# Altium PCB 宠物机器人&导购机器人.PcbDoc (part 9 of 14)
Units mil, origin at the board's own origin, x right, y up, seen from the top; angles counter-clockwise.
Board outline 6899.61 x 2204.72 mil, 2 copper layers (Top Layer, Bottom Layer); 229 components, 218 nets, 23463 pads, 263 vias.
Unrouted connection lines stored in the file: 107.
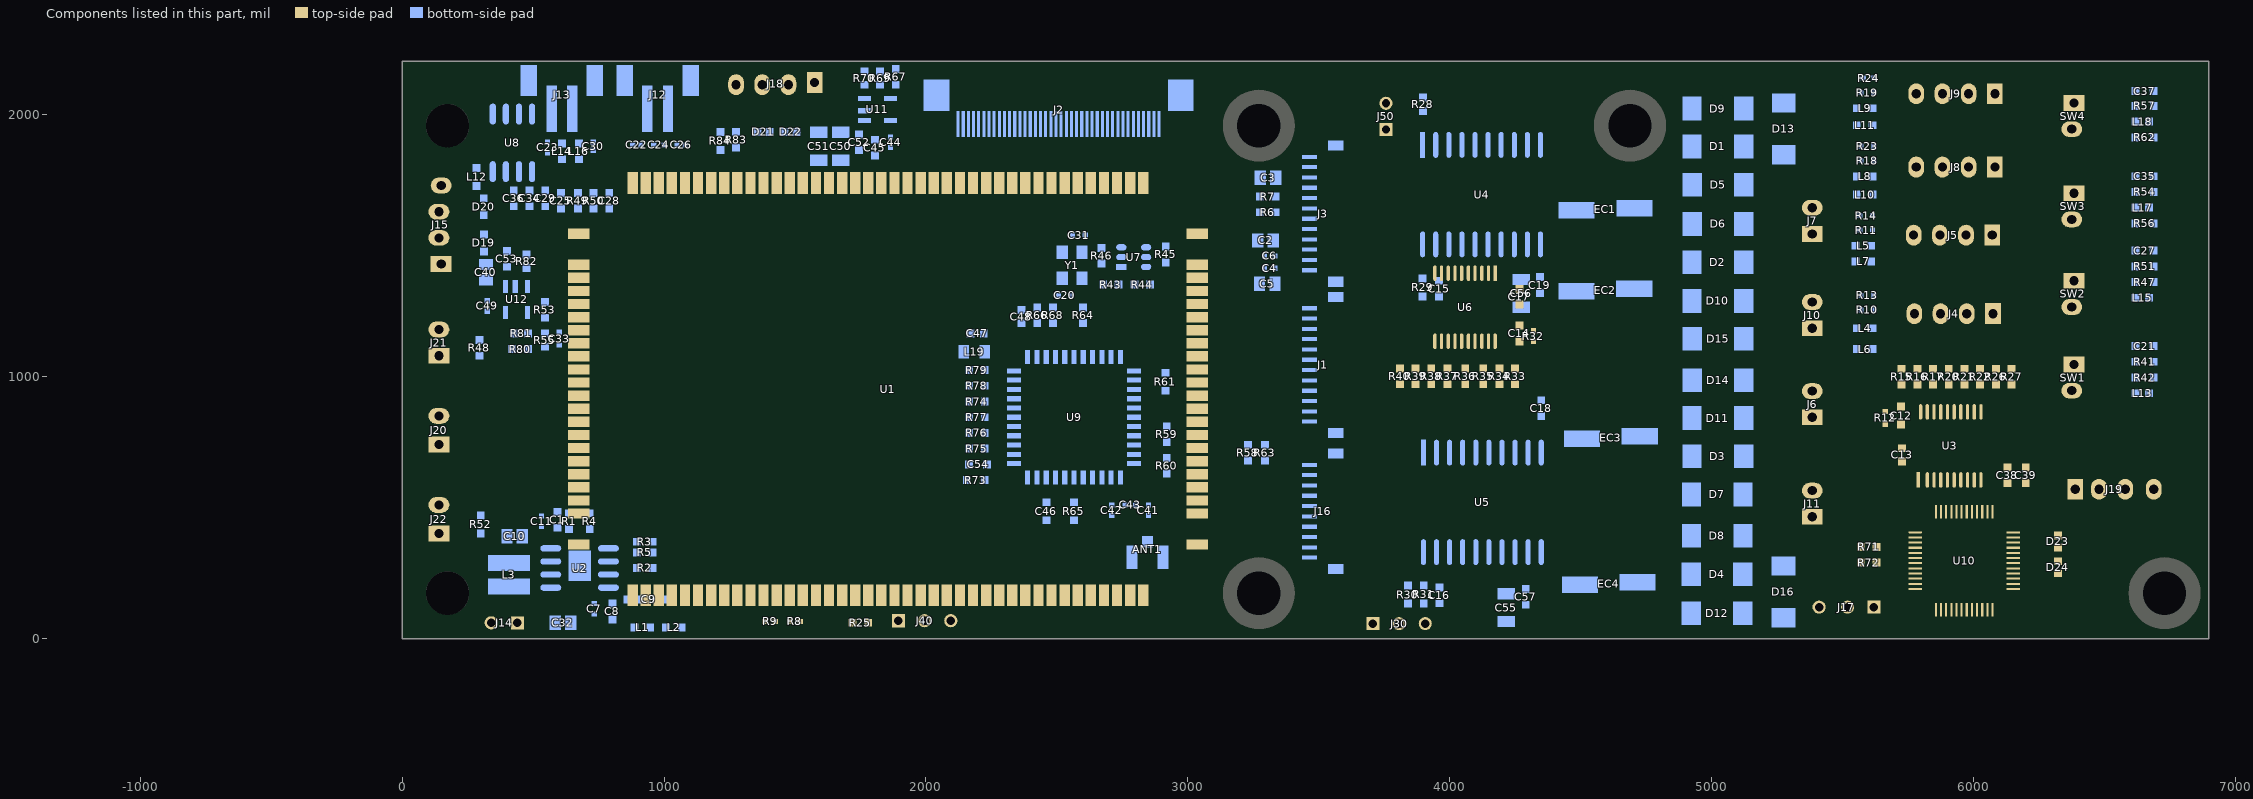
[diagram p9: the components of this part, seen from the top]

## Free pads (board coordinates) (continued)
  round 0.01 on Mech2: 1(-1217.33,-383.26) 1(-1217.33,-383.26) 1(-1217.33,-383.26) 1(-1217.33,-383.26) 1(-1217.33,-383.32) 1(-1217.33,-383.32) 1(-1217.33,-383.32) 1(-1217.33,-383.26) 1(-1217.33,-383.26) 1(-1217.33,-383.26) 1(-1217.32,-384.67) 1(-1217.32,-384.67) 1(-1217.32,-384.67) 1(-1217.32,-384.67) 1(-1217.32,-384.67) 1(-1217.32,-384.67) 1(-1217.32,-384.61) 1(-1217.32,-384.61) 1(-1217.32,-384.61) 1(-1217.32,-384.61) 1(-1217.32,-384.61) 1(-1217.32,-384.61) 1(-1217.32,-384.58) 1(-1217.32,-384.58) 1(-1217.32,-384.58) 1(-1217.32,-384.58) 1(-1217.32,-384.58) 1(-1217.32,-384.58) 1(-1217.32,-384.3) 1(-1217.32,-384.3) 1(-1217.32,-384.3) 1(-1217.32,-384.3) 1(-1217.32,-384.3) 1(-1217.32,-384.3) 1(-1217.32,-383.79) 1(-1217.32,-383.79) 1(-1217.32,-383.79) 1(-1217.32,-383.79) 1(-1217.32,-383.79) 1(-1217.32,-383.79) 1(-1217.32,-385.04) 1(-1217.32,-385.04) 1(-1217.32,-385.04) 1(-1217.32,-384.9) 1(-1217.32,-384.9) 1(-1217.32,-384.9) 1(-1217.32,-384.9) 1(-1217.32,-384.9) 1(-1217.32,-384.9) 1(-1217.31,-384.84) 1(-1217.31,-384.84) 1(-1217.31,-384.84) 1(-1217.31,-384.84) 1(-1217.31,-384.84) 1(-1217.31,-384.84) 1(-1217.3,-384.64) 1(-1217.3,-384.64) 1(-1217.3,-384.64) 1(-1217.3,-384.64) 1(-1217.3,-384.64) 1(-1217.3,-384.64) 1(-1217.3,-384.57) 1(-1217.3,-384.57) 1(-1217.3,-384.57) 1(-1217.3,-384.57) 1(-1217.3,-384.57) 1(-1217.3,-384.57) 1(-1217.3,-383.29) 1(-1217.3,-383.29) 1(-1217.3,-383.29) 1(-1217.3,-384.32) 1(-1217.3,-384.32) 1(-1217.3,-384.32) 1(-1217.3,-384.32) 1(-1217.3,-384.32) 1(-1217.3,-384.32) 1(-1217.29,-384.42) 1(-1217.29,-384.42) 1(-1217.29,-384.42) 1(-1217.29,-384.88) 1(-1217.29,-384.88) 1(-1217.29,-384.88) 1(-1217.29,-384.88) 1(-1217.29,-384.88) 1(-1217.29,-384.88) 1(-1217.29,-384.78) 1(-1217.29,-384.78) 1(-1217.29,-384.78) 1(-1217.29,-384.78) 1(-1217.29,-384.78) 1(-1217.29,-384.78) 1(-1217.29,-383.51) 1(-1217.29,-383.51) 1(-1217.29,-383.51) 1(-1217.29,-383.51) 1(-1217.29,-383.51) 1(-1217.29,-383.51) 1(-1217.29,-383.34) 1(-1217.29,-383.34) 1(-1217.29,-383.34) 1(-1217.29,-383.6) 1(-1217.29,-383.6) 1(-1217.29,-383.6) 1(-1217.29,-383.6) 1(-1217.29,-383.6) 1(-1217.29,-383.6) 1(-1217.29,-384.67) 1(-1217.29,-384.67) 1(-1217.29,-384.67) 1(-1217.29,-384.67) 1(-1217.29,-384.67) 1(-1217.29,-384.67) 1(-1217.29,-384.47) 1(-1217.29,-384.47) 1(-1217.29,-384.47) 1(-1217.29,-384.47) 1(-1217.29,-384.47) 1(-1217.29,-384.47) 1(-1217.28,-384.84) 1(-1217.28,-384.84) 1(-1217.28,-384.84) 1(-1217.27,-383.3) 1(-1217.27,-383.3) 1(-1217.27,-383.3) 1(-1217.27,-384.85) 1(-1217.27,-384.85) 1(-1217.27,-384.85) 1(-1217.27,-384.85) 1(-1217.27,-384.85) 1(-1217.27,-384.85) 1(-1217.27,-384.84) 1(-1217.27,-384.84) 1(-1217.27,-384.84) 1(-1217.27,-383.51) 1(-1217.27,-383.51) 1(-1217.27,-383.51) 1(-1217.27,-383.51) 1(-1217.27,-383.51) 1(-1217.27,-383.51) 1(-1217.27,-383.3) 1(-1217.27,-383.3) 1(-1217.27,-383.3) 1(-1217.27,-383.3) 1(-1217.27,-383.3) 1(-1217.27,-383.3) 1(-1217.27,-384.78) 1(-1217.27,-384.78) 1(-1217.27,-384.78) 1(-1217.26,-384.86) 1(-1217.26,-384.86) 1(-1217.26,-384.86) 1(-1217.26,-384.86) 1(-1217.26,-384.86) 1(-1217.26,-384.86) 1(-1217.26,-384.42) 1(-1217.26,-384.42) 1(-1217.26,-384.42) 1(-1217.26,-384.42) 1(-1217.26,-384.42) 1(-1217.26,-384.42) 1(-1217.26,-384.9) 1(-1217.26,-384.9) 1(-1217.26,-384.9) 1(-1217.26,-384.54) 1(-1217.26,-384.54) 1(-1217.26,-384.54) 1(-1217.26,-384.54) 1(-1217.26,-384.54) 1(-1217.26,-384.54) 1(-1217.26,-384.48) 1(-1217.26,-384.48) 1(-1217.26,-384.48) 1(-1217.26,-384.42) 1(-1217.26,-384.42) 1(-1217.26,-384.42) 1(-1217.26,-384.42) 1(-1217.26,-384.42) 1(-1217.26,-384.42) 1(-1217.26,-384.37) 1(-1217.26,-384.37) 1(-1217.26,-384.37) 1(-1217.25,-383.52) 1(-1217.25,-383.52) 1(-1217.25,-383.52) 1(-1217.25,-383.52) 1(-1217.25,-383.52) 1(-1217.25,-383.52) 1(-1217.25,-383.12) 1(-1217.25,-383.12) 1(-1217.25,-383.12) 1(-1217.25,-383.12) 1(-1217.25,-383.12) 1(-1217.25,-383.12) 1(-1217.24,-385.04) 1(-1217.24,-385.04) 1(-1217.24,-385.04) 1(-1217.24,-384.92) 1(-1217.24,-384.92) 1(-1217.24,-384.92) 1(-1217.24,-384.92) 1(-1217.24,-384.92) 1(-1217.24,-384.92) 1(-1217.23,-384.78) 1(-1217.23,-384.78) 1(-1217.23,-384.78) 1(-1217.23,-384.78) 1(-1217.23,-384.78) 1(-1217.23,-384.78) 1(-1217.21,-384.84) 1(-1217.21,-384.84) 1(-1217.21,-384.84) 1(-1217.21,-384.8) 1(-1217.21,-384.8) 1(-1217.21,-384.8) 1(-1217.21,-384.8) 1(-1217.21,-384.8) 1(-1217.21,-384.8) 1(-1217.21,-383.08) 1(-1217.21,-383.08) 1(-1217.21,-383.08) 1(-1217.21,-383.08) 1(-1217.21,-383.08) 1(-1217.21,-383.08) 1(-1217.21,-384.92) 1(-1217.21,-384.92) 1(-1217.21,-384.92) 1(-1217.21,-384.92) 1(-1217.21,-384.92) 1(-1217.21,-384.92) 1(-1217.21,-384.92) 1(-1217.21,-384.92) 1(-1217.21,-384.92) 1(-1217.2,-383.14) 1(-1217.2,-383.14) 1(-1217.2,-383.14) 1(-1217.2,-383.11) 1(-1217.2,-383.11) 1(-1217.2,-383.11) 1(-1217.2,-383.11) 1(-1217.2,-383.11) 1(-1217.2,-383.11) 1(-1217.2,-383.67) 1(-1217.2,-383.67) 1(-1217.2,-383.67) 1(-1217.2,-383.67) 1(-1217.2,-383.67) 1(-1217.2,-383.67) 1(-1217.2,-384.57) 1(-1217.2,-384.57) 1(-1217.2,-384.57) 1(-1217.2,-384.57) 1(-1217.2,-384.57) 1(-1217.2,-384.57) 1(-1217.2,-384.54) 1(-1217.2,-384.54) 1(-1217.2,-384.54) 1(-1217.2,-384.42) 1(-1217.2,-384.42) 1(-1217.2,-384.42) 1(-1217.2,-384.37) 1(-1217.2,-384.37) 1(-1217.2,-384.37) 1(-1217.2,-383.1) 1(-1217.2,-383.1) 1(-1217.2,-383.1) 1(-1217.2,-383.1) 1(-1217.2,-383.1) 1(-1217.2,-383.1) 1(-1217.18,-383.63) 1(-1217.18,-383.63) 1(-1217.18,-383.63) 1(-1217.18,-383.63) 1(-1217.18,-383.63) 1(-1217.18,-383.63) 1(-1217.18,-384.74) 1(-1217.18,-384.74) 1(-1217.18,-384.74) 1(-1217.18,-384.74) 1(-1217.18,-384.74) 1(-1217.18,-384.74) 1(-1217.18,-384.39) 1(-1217.18,-384.39) 1(-1217.18,-384.39) 1(-1217.18,-384.39) 1(-1217.18,-384.39) 1(-1217.18,-384.39) 1(-1217.18,-384.39) 1(-1217.18,-384.39) 1(-1217.18,-384.39) 1(-1217.17,-383.6) 1(-1217.17,-383.6) 1(-1217.17,-383.6) 1(-1217.17,-383.6) 1(-1217.17,-383.6) 1(-1217.17,-383.6) 1(-1217.17,-383.46) 1(-1217.17,-383.46) 1(-1217.17,-383.46) 1(-1217.17,-383.46) 1(-1217.17,-383.46) 1(-1217.17,-383.46) 1(-1217.17,-383.48) 1(-1217.17,-383.48) 1(-1217.17,-383.48) 1(-1217.17,-383.48) 1(-1217.17,-383.48) 1(-1217.17,-383.48) 1(-1217.17,-384.42) 1(-1217.17,-384.42) 1(-1217.17,-384.42) 1(-1217.17,-384.42) 1(-1217.17,-384.42) 1(-1217.17,-384.42) 1(-1217.17,-384.88) 1(-1217.17,-384.88) 1(-1217.17,-384.88) 1(-1217.17,-384.88) 1(-1217.17,-384.88) 1(-1217.17,-384.88) 1(-1217.16,-383.5) 1(-1217.16,-383.5) 1(-1217.16,-383.5) 1(-1217.16,-383.5) 1(-1217.16,-383.5) 1(-1217.16,-383.5) 1(-1217.16,-383.26) 1(-1217.16,-383.26) 1(-1217.16,-383.26) 1(-1217.16,-383.26) 1(-1217.16,-383.26) 1(-1217.16,-383.26) 1(-1217.16,-383.14) 1(-1217.16,-383.14) 1(-1217.16,-383.14) 1(-1217.16,-384.78) 1(-1217.16,-384.78) 1(-1217.16,-384.78) 1(-1217.16,-384.74) 1(-1217.16,-384.74) 1(-1217.16,-384.74) 1(-1217.16,-384.74) 1(-1217.16,-384.74) 1(-1217.16,-384.74) 1(-1217.16,-383.52) 1(-1217.16,-383.52) 1(-1217.16,-383.52) 1(-1217.16,-383.52) 1(-1217.16,-383.52) 1(-1217.16,-383.52) 1(-1217.16,-384.61) 1(-1217.16,-384.61) 1(-1217.16,-384.61) 1(-1217.16,-384.61) 1(-1217.16,-384.61) 1(-1217.16,-384.61) 1(-1217.16,-384.89) 1(-1217.16,-384.89) 1(-1217.16,-384.89) 1(-1217.16,-384.89) 1(-1217.16,-384.89) 1(-1217.16,-384.89) 1(-1217.15,-384.86) 1(-1217.15,-384.86) 1(-1217.15,-384.86) 1(-1217.15,-384.86) 1(-1217.15,-384.86) 1(-1217.15,-384.86) 1(-1217.15,-383.53) 1(-1217.15,-383.53) 1(-1217.15,-383.53) 1(-1217.15,-383.53) 1(-1217.15,-383.53) 1(-1217.15,-383.53) 1(-1217.15,-384.68) 1(-1217.15,-384.68) 1(-1217.15,-384.68) 1(-1217.15,-384.68) 1(-1217.15,-384.68) 1(-1217.15,-384.68) 1(-1217.15,-384.64) 1(-1217.15,-384.64) 1(-1217.15,-384.64) 1(-1217.15,-384.64) 1(-1217.15,-384.64) 1(-1217.15,-384.64) 1(-1217.15,-384.34) 1(-1217.15,-384.34) 1(-1217.15,-384.34) 1(-1217.15,-384.34) 1(-1217.15,-384.34) 1(-1217.15,-384.34) 1(-1217.15,-384.86) 1(-1217.15,-384.86) 1(-1217.15,-384.86) 1(-1217.15,-384.86) 1(-1217.15,-384.86) 1(-1217.15,-384.86) 1(-1217.15,-384.84) 1(-1217.15,-384.84) 1(-1217.15,-384.84) 1(-1217.15,-384.84) 1(-1217.15,-384.84) 1(-1217.15,-384.84) 1(-1217.15,-384.84) 1(-1217.15,-384.84) 1(-1217.15,-384.84) 1(-1217.15,-384.84) 1(-1217.15,-384.84) 1(-1217.15,-384.84) 1(-1217.15,-384.84) 1(-1217.15,-384.84) 1(-1217.15,-384.84) 1(-1217.15,-383.55) 1(-1217.15,-383.55) 1(-1217.15,-383.55) 1(-1217.15,-383.55) 1(-1217.15,-383.55) 1(-1217.15,-383.55) 1(-1217.14,-384.32) 1(-1217.14,-384.32) 1(-1217.14,-384.32) 1(-1217.14,-384.32) 1(-1217.14,-384.32) 1(-1217.14,-384.32) 1(-1217.14,-384.69) 1(-1217.14,-384.69) 1(-1217.14,-384.69) 1(-1217.14,-384.69) 1(-1217.14,-384.69) 1(-1217.14,-384.69) 1(-1217.14,-384.78) 1(-1217.14,-384.78) 1(-1217.14,-384.78) 1(-1217.13,-384.57) 1(-1217.13,-384.57) 1(-1217.13,-384.57) 1(-1217.13,-384.57) 1(-1217.13,-384.57) 1(-1217.13,-384.57) 1(-1217.13,-384.54) 1(-1217.13,-384.54) 1(-1217.13,-384.54) 1(-1217.13,-384.54) 1(-1217.13,-384.54) 1(-1217.13,-384.54) 1(-1217.13,-384.48) 1(-1217.13,-384.48) 1(-1217.13,-384.48) 1(-1217.13,-384.48) 1(-1217.13,-384.48) 1(-1217.13,-384.48) 1(-1217.13,-384.46) 1(-1217.13,-384.46) 1(-1217.13,-384.46) 1(-1217.13,-384.46) 1(-1217.13,-384.46) 1(-1217.13,-384.46) 1(-1217.12,-383.27) 1(-1217.12,-383.27) 1(-1217.12,-383.27) 1(-1217.12,-383.27) 1(-1217.12,-383.27) 1(-1217.12,-383.27) 1(-1217.12,-383.14) 1(-1217.12,-383.14) 1(-1217.12,-383.14) 1(-1217.11,-384.74) 1(-1217.11,-384.74) 1(-1217.11,-384.74) 1(-1217.11,-384.72) 1(-1217.11,-384.72) 1(-1217.11,-384.72) 1(-1217.11,-384.69) 1(-1217.11,-384.69) 1(-1217.11,-384.69) 1(-1217.11,-384.69) 1(-1217.11,-384.69) 1(-1217.11,-384.69) 1(-1217.11,-384.67) 1(-1217.11,-384.67) 1(-1217.11,-384.67) 1(-1217.11,-384.64) 1(-1217.11,-384.64) 1(-1217.11,-384.64) 1(-1217.11,-384.61) 1(-1217.11,-384.61) 1(-1217.11,-384.61) 1(-1217.11,-384.61) 1(-1217.11,-384.61) 1(-1217.11,-384.61) 1(-1217.11,-384.59) 1(-1217.11,-384.59) 1(-1217.11,-384.59) 1(-1217.1,-384.83) 1(-1217.1,-384.83) 1(-1217.1,-384.83) 1(-1217.1,-384.83) 1(-1217.1,-384.83) 1(-1217.1,-384.83) 1(-1217.1,-384.78) 1(-1217.1,-384.78) 1(-1217.1,-384.78) 1(-1217.1,-384.78) 1(-1217.1,-384.78) 1(-1217.1,-384.78) 1(-1217.09,-384.84) 1(-1217.09,-384.84) 1(-1217.09,-384.84) 1(-1217.09,-384.84) 1(-1217.09,-384.84) 1(-1217.09,-384.84) 1(-1217.09,-384.84) 1(-1217.09,-384.84) 1(-1217.09,-384.84) 1(-1217.09,-384.84) 1(-1217.09,-384.84) 1(-1217.09,-384.84) 1(-1217.09,-384.78) 1(-1217.09,-384.78) 1(-1217.09,-384.78) 1(-1217.09,-384.78) 1(-1217.09,-384.78) 1(-1217.09,-384.78) 1(-1217.09,-384.86) 1(-1217.09,-384.86) 1(-1217.09,-384.86) 1(-1217.09,-384.84) 1(-1217.09,-384.84) 1(-1217.09,-384.84) 1(-1217.09,-384.84) 1(-1217.09,-384.84) 1(-1217.09,-384.84) 1(-1217.09,-383.27) 1(-1217.09,-383.27) 1(-1217.09,-383.27) 1(-1217.09,-383.27) 1(-1217.09,-383.27) 1(-1217.09,-383.27) 1(-1217.09,-383.14) 1(-1217.09,-383.14) 1(-1217.09,-383.14) 1(-1217.08,-384.72) 1(-1217.08,-384.72) 1(-1217.08,-384.72) 1(-1217.08,-384.72) 1(-1217.08,-384.72) 1(-1217.08,-384.72) 1(-1217.08,-384.92) 1(-1217.08,-384.92) 1(-1217.08,-384.92) 1(-1217.08,-385.11) 1(-1217.08,-385.11) 1(-1217.08,-385.11) 1(-1217.08,-385.11) 1(-1217.08,-385.11) 1(-1217.08,-385.11) 1(-1217.08,-384.98) 1(-1217.08,-384.98) 1(-1217.08,-384.98) 1(-1217.07,-384.89) 1(-1217.07,-384.89) 1(-1217.07,-384.89) 1(-1217.07,-384.89) 1(-1217.07,-384.89) 1(-1217.07,-384.89) 1(-1217.07,-384.57) 1(-1217.07,-384.57) 1(-1217.07,-384.57) 1(-1217.07,-384.57) 1(-1217.07,-384.57) 1(-1217.07,-384.57) 1(-1217.07,-384.54) 1(-1217.07,-384.54) 1(-1217.07,-384.54) 1(-1217.07,-384.48) 1(-1217.07,-384.48) 1(-1217.07,-384.48) 1(-1217.07,-384.42) 1(-1217.07,-384.42) 1(-1217.07,-384.42) 1(-1217.07,-384.42) 1(-1217.07,-384.42) 1(-1217.07,-384.42) 1(-1217.07,-384.64) 1(-1217.07,-384.64) 1(-1217.07,-384.64) 1(-1217.07,-384.64) 1(-1217.07,-384.64) 1(-1217.07,-384.64) 1(-1217.07,-384.57) 1(-1217.07,-384.57) 1(-1217.07,-384.57) 1(-1217.07,-384.61) 1(-1217.07,-384.61) 1(-1217.07,-384.61) 1(-1217.07,-384.61) 1(-1217.07,-384.61) 1(-1217.07,-384.61) 1(-1217.07,-384.76) 1(-1217.07,-384.76) 1(-1217.07,-384.76) 1(-1217.07,-384.76) 1(-1217.07,-384.76) 1(-1217.07,-384.76) 1(-1217.07,-384.73) 1(-1217.07,-384.73) 1(-1217.07,-384.73) 1(-1217.07,-384.73) 1(-1217.07,-384.73) 1(-1217.07,-384.73) 1(-1217.06,-384.69) 1(-1217.06,-384.69) 1(-1217.06,-384.69) 1(-1217.06,-384.69) 1(-1217.06,-384.69) 1(-1217.06,-384.69) 1(-1217.06,-384.69) 1(-1217.06,-384.69) 1(-1217.06,-384.69) 1(-1217.06,-385.12) 1(-1217.06,-385.12) 1(-1217.06,-385.12) 1(-1217.06,-385.12) 1(-1217.06,-385.12) 1(-1217.06,-385.12) 1(-1217.06,-384.6) 1(-1217.06,-384.6) 1(-1217.06,-384.6) 1(-1217.06,-384.6) 1(-1217.06,-384.6) 1(-1217.06,-384.6) 1(-1217.06,-384.58) 1(-1217.06,-384.58) 1(-1217.06,-384.58) 1(-1217.06,-384.58) 1(-1217.06,-384.58) 1(-1217.06,-384.58) 1(-1217.05,-384.86) 1(-1217.05,-384.86) 1(-1217.05,-384.86) 1(-1217.05,-384.86) 1(-1217.05,-384.86) 1(-1217.05,-384.86) 1(-1217.05,-384.75) 1(-1217.05,-384.75) 1(-1217.05,-384.75) 1(-1217.05,-384.75) 1(-1217.05,-384.75) 1(-1217.05,-384.75) 1(-1217.05,-383.67) 1(-1217.05,-383.67) 1(-1217.05,-383.67) 1(-1217.05,-383.67) 1(-1217.05,-383.67) 1(-1217.05,-383.67) 1(-1217.05,-383.6) 1(-1217.05,-383.6) 1(-1217.05,-383.6) 1(-1217.05,-383.6) 1(-1217.05,-383.6) 1(-1217.05,-383.6) 1(-1217.05,-383.27) 1(-1217.05,-383.27) 1(-1217.05,-383.27) 1(-1217.05,-383.27) 1(-1217.05,-383.27) 1(-1217.05,-383.27) 1(-1217.05,-383.14) 1(-1217.05,-383.14) 1(-1217.05,-383.14) 1(-1217.05,-383.6) 1(-1217.05,-383.6) 1(-1217.05,-383.6) 1(-1217.04,-384.67) 1(-1217.04,-384.67) 1(-1217.04,-384.67) 1(-1217.04,-384.67) 1(-1217.04,-384.67) 1(-1217.04,-384.67) 1(-1217.04,-384.74) 1(-1217.04,-384.74) 1(-1217.04,-384.74) 1(-1217.04,-384.74) 1(-1217.04,-384.74) 1(-1217.04,-384.74) 1(-1217.03,-383.61) 1(-1217.03,-383.61) 1(-1217.03,-383.61) 1(-1217.03,-384.64) 1(-1217.03,-384.64) 1(-1217.03,-384.64) 1(-1217.03,-384.64) 1(-1217.03,-384.64) 1(-1217.03,-384.64) 1(-1217.03,-384.74) 1(-1217.03,-384.74) 1(-1217.03,-384.74) 1(-1217.03,-384.69) 1(-1217.03,-384.69) 1(-1217.03,-384.69) 1(-1217.03,-384.69) 1(-1217.03,-384.69) 1(-1217.03,-384.69) 1(-1217.02,-384.83) 1(-1217.02,-384.83) 1(-1217.02,-384.83) 1(-1217.02,-384.83) 1(-1217.02,-384.83) 1(-1217.02,-384.83) 1(-1217.02,-384.81) 1(-1217.02,-384.81) 1(-1217.02,-384.81) 1(-1217.02,-384.81) 1(-1217.02,-384.81) 1(-1217.02,-384.81) 1(-1217.02,-384.78) 1(-1217.02,-384.78) 1(-1217.02,-384.78) 1(-1217.02,-384.74) 1(-1217.02,-384.74) 1(-1217.02,-384.74) 1(-1217.02,-384.64) 1(-1217.02,-384.64) 1(-1217.02,-384.64) 1(-1217.02,-384.64) 1(-1217.02,-384.64) 1(-1217.02,-384.64) 1(-1217.02,-384.59) 1(-1217.02,-384.59) 1(-1217.02,-384.59) 1(-1217.02,-384.69) 1(-1217.02,-384.69) 1(-1217.02,-384.69) 1(-1217.02,-384.69) 1(-1217.02,-384.69) 1(-1217.02,-384.69) 1(-1217.02,-384.84) 1(-1217.02,-384.84) 1(-1217.02,-384.84) 1(-1217.02,-383.57) 1(-1217.02,-383.57) 1(-1217.02,-383.57) 1(-1217.02,-383.57) 1(-1217.02,-383.57) 1(-1217.02,-383.57) 1(-1217.01,-384.54) 1(-1217.01,-384.54) 1(-1217.01,-384.54) 1(-1217.01,-384.54) 1(-1217.01,-384.54) 1(-1217.01,-384.54) 1(-1217.01,-384.48) 1(-1217.01,-384.48) 1(-1217.01,-384.48) 1(-1217.01,-384.45) 1(-1217.01,-384.45) 1(-1217.01,-384.45) 1(-1217.01,-384.45) 1(-1217.01,-384.45) 1(-1217.01,-384.45) 1(-1217.01,-383.27) 1(-1217.01,-383.27) 1(-1217.01,-383.27) 1(-1217.01,-383.27) 1(-1217.01,-383.27) 1(-1217.01,-383.27) 1(-1217.01,-383.14) 1(-1217.01,-383.14) 1(-1217.01,-383.14) 1(-1217.01,-384.54) 1(-1217.01,-384.54) 1(-1217.01,-384.54) 1(-1217.01,-384.54) 1(-1217.01,-384.54) 1(-1217.01,-384.54) 1(-1217,-383.43) 1(-1217,-383.43) 1(-1217,-383.43) 1(-1217,-383.43) 1(-1217,-383.43) 1(-1217,-383.43) 1(-1216.98,-383.41) 1(-1216.98,-383.41) 1(-1216.98,-383.41) 1(-1216.98,-383.41) 1(-1216.98,-383.41) 1(-1216.98,-383.41) 1(-1216.97,-383.28) 1(-1216.97,-383.28) 1(-1216.97,-383.28) 1(-1216.97,-383.28) 1(-1216.97,-383.28) 1(-1216.97,-383.28) 1(-1216.97,-383.14) 1(-1216.97,-383.14) 1(-1216.97,-383.14) 1(-1216.97,-383.63) 1(-1216.97,-383.63) 1(-1216.97,-383.63) 1(-1216.97,-383.63) 1(-1216.97,-383.63) 1(-1216.97,-383.63) 1(-1216.97,-383.39) 1(-1216.97,-383.39) 1(-1216.97,-383.39) 1(-1216.97,-383.39) 1(-1216.97,-383.39) 1(-1216.97,-383.39) 1(-1216.96,-385.04) 1(-1216.96,-385.04) 1(-1216.96,-385.04) 1(-1216.96,-384.92) 1(-1216.96,-384.92) 1(-1216.96,-384.92) 1(-1216.96,-384.92) 1(-1216.96,-384.92) 1(-1216.96,-384.92) 1(-1216.96,-384.69) 1(-1216.96,-384.69) 1(-1216.96,-384.69) 1(-1216.96,-384.84) 1(-1216.96,-384.84) 1(-1216.96,-384.84) 1(-1216.96,-384.84) 1(-1216.96,-384.84) 1(-1216.96,-384.84) 1(-1216.95,-384.54) 1(-1216.95,-384.54) 1(-1216.95,-384.54) 1(-1216.95,-384.48) 1(-1216.95,-384.48) 1(-1216.95,-384.48) 1(-1216.95,-383.36) 1(-1216.95,-383.36) 1(-1216.95,-383.36) 1(-1216.95,-383.36) 1(-1216.95,-383.36) 1(-1216.95,-383.36) 1(-1216.94,-384.81) 1(-1216.94,-384.81) 1(-1216.94,-384.81) 1(-1216.94,-384.81) 1(-1216.94,-384.81) 1(-1216.94,-384.81) 1(-1216.94,-384.69) 1(-1216.94,-384.69) 1(-1216.94,-384.69) 1(-1216.94,-384.69) 1(-1216.94,-384.69) 1(-1216.94,-384.69) 1(-1216.94,-384.69) 1(-1216.94,-384.69) 1(-1216.94,-384.69) 1(-1216.94,-384.57) 1(-1216.94,-384.57) 1(-1216.94,-384.57) 1(-1216.94,-384.57) 1(-1216.94,-384.57) 1(-1216.94,-384.57) 1(-1216.94,-384.55) 1(-1216.94,-384.55) 1(-1216.94,-384.55) 1(-1216.94,-384.55) 1(-1216.94,-384.55) 1(-1216.94,-384.55) 1(-1216.93,-383.35) 1(-1216.93,-383.35) 1(-1216.93,-383.35) 1(-1216.93,-383.35) 1(-1216.93,-383.35) 1(-1216.93,-383.35) 1(-1216.93,-384.84) 1(-1216.93,-384.84) 1(-1216.93,-384.84) 1(-1216.93,-384.89) 1(-1216.93,-384.89) 1(-1216.93,-384.89) 1(-1216.93,-384.89) 1(-1216.93,-384.89) 1(-1216.93,-384.89) 1(-1216.93,-383.29) 1(-1216.93,-383.29) 1(-1216.93,-383.29) 1(-1216.93,-383.29) 1(-1216.93,-383.29) 1(-1216.93,-383.29) 1(-1216.93,-383.14) 1(-1216.93,-383.14) 1(-1216.93,-383.14) 1(-1216.92,-385.04) 1(-1216.92,-385.04) 1(-1216.92,-385.04) 1(-1216.92,-384.92) 1(-1216.92,-384.92) 1(-1216.92,-384.92) 1(-1216.92,-384.92) 1(-1216.92,-384.92) 1(-1216.92,-384.92) 1(-1216.92,-383.33) 1(-1216.92,-383.33) 1(-1216.92,-383.33) 1(-1216.92,-383.33) 1(-1216.92,-383.33) 1(-1216.92,-383.33) 1(-1216.9,-384.9) 1(-1216.9,-384.9) 1(-1216.9,-384.9) 1(-1216.9,-384.9) 1(-1216.9,-384.9) 1(-1216.9,-384.9) 1(-1216.9,-383.31) 1(-1216.9,-383.31) 1(-1216.9,-383.31) 1(-1216.9,-383.31) 1(-1216.9,-383.31) 1(-1216.9,-383.31) 1(-1216.89,-383.1) 1(-1216.89,-383.1) 1(-1216.89,-383.1) 1(-1216.89,-383.1) 1(-1216.89,-383.1) 1(-1216.89,-383.1) 1(-1216.89,-383.1) 1(-1216.89,-383.1) 1(-1216.89,-383.1) 1(-1216.89,-383.14) 1(-1216.89,-383.14) 1(-1216.89,-383.14) 1(-1216.89,-383.1) 1(-1216.89,-383.1) 1(-1216.89,-383.1) 1(-1216.89,-383.1) 1(-1216.89,-383.1) 1(-1216.89,-383.1) 1(-1216.89,-385.04) 1(-1216.89,-385.04) 1(-1216.89,-385.04) 1(-1216.89,-384.93) 1(-1216.89,-384.93) 1(-1216.89,-384.93) 1(-1216.89,-384.93) 1(-1216.89,-384.93) 1(-1216.89,-384.93) 1(-1216.88,-384.79) 1(-1216.88,-384.79) 1(-1216.88,-384.79) 1(-1216.88,-384.79) 1(-1216.88,-384.79) 1(-1216.88,-384.79) 1(-1216.88,-384.54) 1(-1216.88,-384.54) 1(-1216.88,-384.54) 1(-1216.88,-384.54) 1(-1216.88,-384.54) 1(-1216.88,-384.54) 1(-1216.87,-384.92) 1(-1216.87,-384.92) 1(-1216.87,-384.92) 1(-1216.87,-384.92) 1(-1216.87,-384.92) 1(-1216.87,-384.92) 1(-1216.86,-384.79) 1(-1216.86,-384.79) 1(-1216.86,-384.79) 1(-1216.86,-384.79) 1(-1216.86,-384.79) 1(-1216.86,-384.79) 1(-1216.86,-384.55) 1(-1216.86,-384.55) 1(-1216.86,-384.55) 1(-1216.86,-384.55) 1(-1216.86,-384.55) 1(-1216.86,-384.55) 1(-1216.85,-383.27) 1(-1216.85,-383.27) 1(-1216.85,-383.27) 1(-1216.85,-383.27) 1(-1216.85,-383.27) 1(-1216.85,-383.27) 1(-1216.85,-383.14) 1(-1216.85,-383.14) 1(-1216.85,-383.14) 1(-1216.85,-384.78) 1(-1216.85,-384.78) 1(-1216.85,-384.78) 1(-1216.85,-384.78) 1(-1216.85,-384.78) 1(-1216.85,-384.78) 1(-1216.85,-384.55) 1(-1216.85,-384.55) 1(-1216.85,-384.55) 1(-1216.85,-384.55) 1(-1216.85,-384.55) 1(-1216.85,-384.55) 1(-1216.83,-384.77) 1(-1216.83,-384.77) 1(-1216.83,-384.77) 1(-1216.83,-384.77) 1(-1216.83,-384.77) 1(-1216.83,-384.77) 1(-1216.83,-384.56) 1(-1216.83,-384.56) 1(-1216.83,-384.56) 1(-1216.83,-384.56) 1(-1216.83,-384.56) 1(-1216.83,-384.56) 1(-1216.83,-383.3) 1(-1216.83,-383.3) 1(-1216.83,-383.3) 